# Altium PCB PCB1.PcbDoc (part 3 of 4)
Units mil, origin at the board's own origin, x right, y up, seen from the top; angles counter-clockwise.
Board outline 1130 x 1815 mil, 2 copper layers (Top Layer, Bottom Layer); 375 components, 18 nets, 1650 pads, 0 vias.
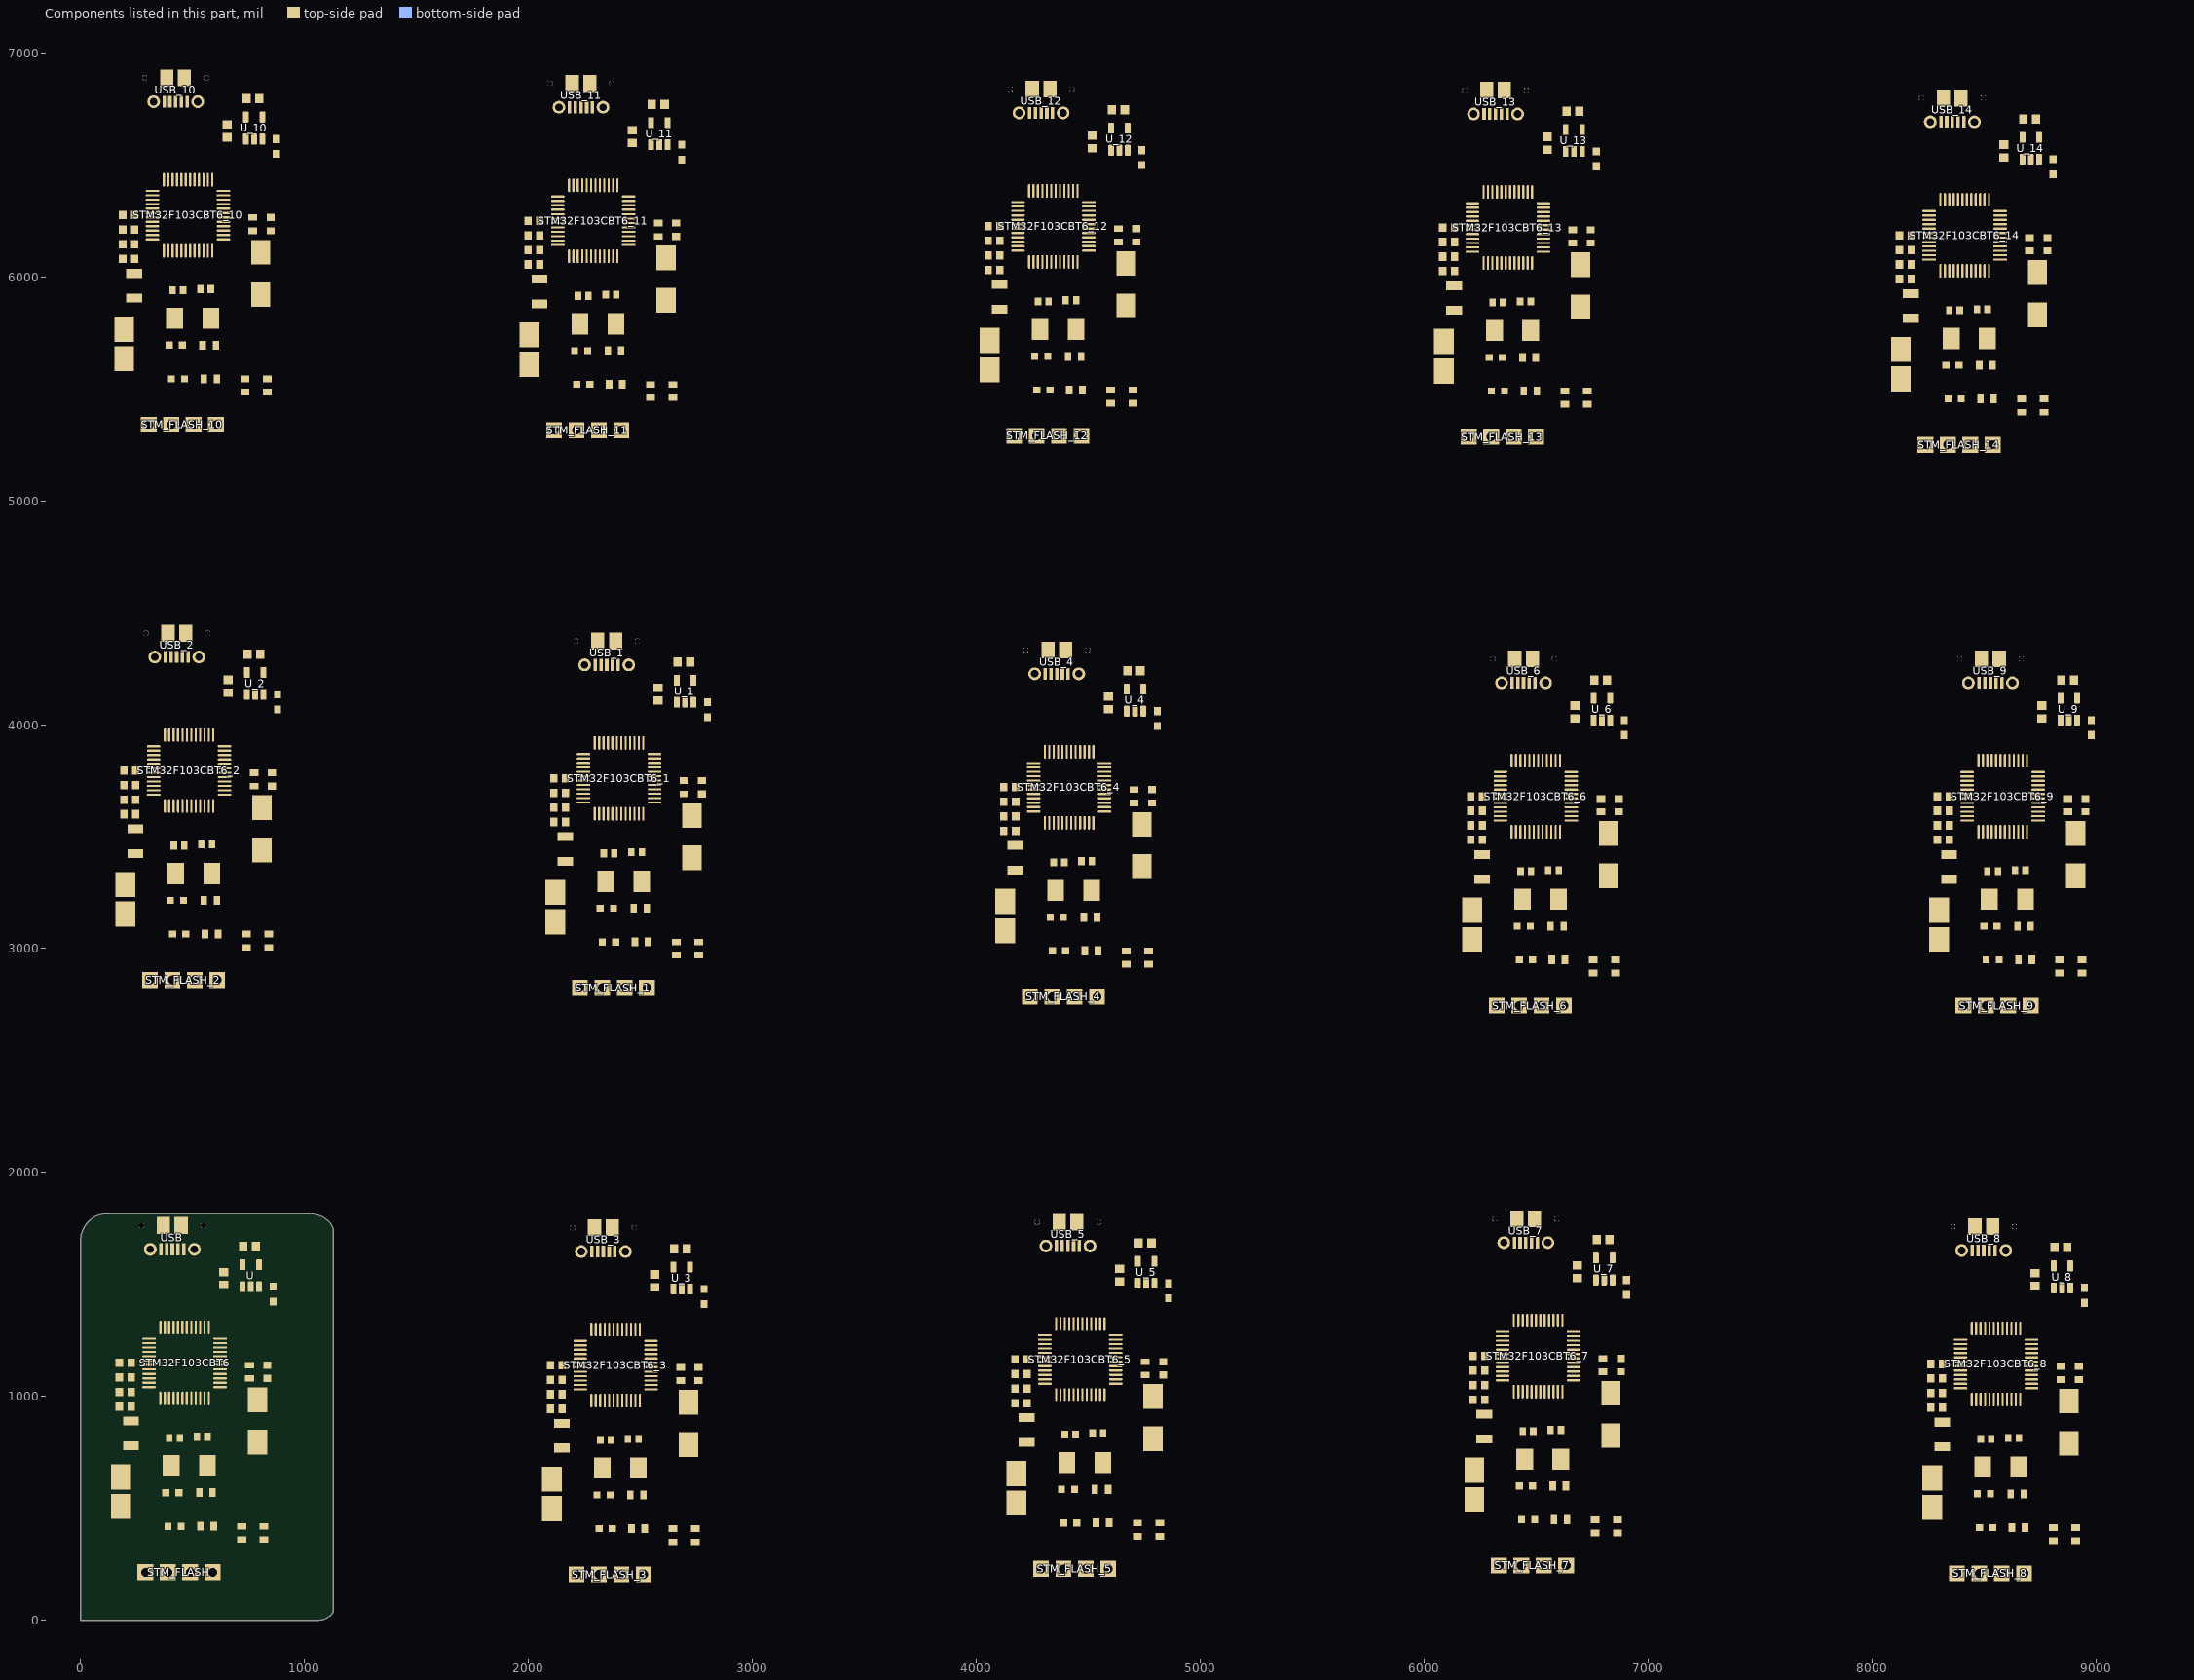
[diagram p3: the components of this part, seen from the top]

## Nets (pads, with @x,y where several pads share a name; then routed paths per layer and width w, separated by ;. In a path a pad name is that pad's centre, name@x,y a point inside that pad or via, vN(x,y) a via of type N, cw(c..) or ccw(c..) an arc to the next point about the centre after c; other vN are vias at no path point) (continued)
copper on no net: | length 303932.1
  Top Layer w5: 241.57,6080 241.57,6145 241.57,6210 241.57,6275 ; 246.57,3600 246.57,3665 246.57,3730 246.57,3795 ; 305,5442.07 307.93,5445 ; 310,2962.07 312.93,2965 ; 405,5340 405,5427.07 407.93,5430 832.07,5430 835,5432.93 835,5485.47 ; 410,2860 410,2947.07 412.93,2950 837.07,2950 840,2952.93 840,3005.47 ; 411.38,5940 420,5931.38 ; 416.38,3460 425,3451.38 ; 476.18,6781.85 476.18,6763.15 481.56,6757.78 ; 481.18,4301.85 481.18,4283.15 486.56,4277.78 ; 548.9,6572.07 551.83,6575 ; 553.9,4092.07 556.83,4095 ; 581.42,5944.17 582.24,5945 ; 586.42,3464.17 587.24,3465 ; 638.8,6696.2 655,6680 671.2,6663.8 ; 643.8,4216.2 660,4200 676.2,4183.8 ; 732.07,5445 735,5447.93 ; 737.07,2965 740,2967.93 ; 737.99,6615 737.99,6626.22 ; 742.99,4135 742.99,4146.22 ; 770,6205.47 777.38,6212.85 ; 775,3725.47 782.38,3732.85 ; 835,5544.53 839.92,5544.53 852.19,5556.79 ; 840,3064.53 844.92,3064.53 857.19,3076.79 ; 967.07,6430 970,6427.07 ; 970,6063.91 970,6063.37 970,6052.5 980,6042.5 980,6035.87 941.64,6035.87 941.64,6010.87 985.08,6010.87 985.08,5985.87 941.64,5985.87 941.64,5960.87 985.08,5960.87 985.08,5935.87 980,5935.87 980,5913.94 980,5910.35 ; 972.07,3950 975,3947.07 ; 975,3583.91 975,3583.37 975,3572.5 985,3562.5 985,3555.87 946.64,3555.87 946.64,3530.87 990.08,3530.87 990.08,3505.87 946.64,3505.87 946.64,3480.87 990.08,3480.87 990.08,3455.87 985,3455.87 985,3433.94 985,3430.35 ; 1027.07,6465 1030,6462.07 ; 1032.07,3985 1035,3982.07 ; 2051.57,6055 2051.57,6120 2051.57,6185 2051.57,6250 ; 2115,5417.07 2117.93,5420 ; 2151.57,945 2151.57,1010 2151.57,1075 2151.57,1140 ; 2166.57,3565 2166.57,3630 2166.57,3695 2166.57,3760 ; 2215,307.07 2217.93,310 ; 2215,5315 2215,5402.07 2217.93,5405 2642.07,5405 2645,5407.93 2645,5460.47 ; 2221.38,5915 2230,5906.38 ; 2230,2927.07 2232.93,2930 ; 2286.18,6756.85 2286.18,6738.15 2291.56,6732.78 ; 2315,205 2315,292.07 2317.93,295 2742.07,295 2745,297.93 2745,350.47 ; 2321.38,805 2330,796.38 ; 2330,2825 2330,2912.07 2332.93,2915 2757.07,2915 2760,2917.93 2760,2970.47 ; 2336.38,3425 2345,3416.38 ; 2358.9,6547.07 2361.83,6550 ; 2386.18,1646.85 2386.18,1628.15 2391.56,1622.78 ; 2391.42,5919.17 2392.24,5920 ; 2401.18,4266.85 2401.18,4248.15 2406.56,4242.78 ; 2448.8,6671.2 2465,6655 2481.2,6638.8 ; 2458.9,1437.07 2461.83,1440 ; 2473.9,4057.07 2476.83,4060 ; 2491.42,809.17 2492.24,810 ; 2506.42,3429.17 2507.24,3430 ; 2542.07,5420 2545,5422.93 ; 2547.99,6590 2547.99,6601.22 ; 2548.8,1561.2 2565,1545 2581.2,1528.8 ; 2563.8,4181.2 2580,4165 2596.2,4148.8 ; 2580,6180.47 2587.38,6187.85 ; 2642.07,310 2645,312.93 ; 2645,5519.53 2649.92,5519.53 2662.19,5531.79 ; 2647.99,1480 2647.99,1491.22 ; 2657.07,2930 2660,2932.93 ; 2662.99,4100 2662.99,4111.22 ; 2680,1070.47 2687.38,1077.85 ; 2695,3690.47 2702.38,3697.85 ; 2745,409.53 2749.92,409.53 2762.19,421.79 ; 2760,3029.53 2764.92,3029.53 2777.19,3041.79 ; 2777.07,6405 2780,6402.07 ; 2780,6038.91 2780,6038.37 2780,6027.5 2790,6017.5 2790,6010.87 2751.64,6010.87 2751.64,5985.87 2795.08,5985.87 2795.08,5960.87 2751.64,5960.87 2751.64,5935.87 2795.08,5935.87 2795.08,5910.87 2790,5910.87 2790,5888.94 2790,5885.35 ; 2837.07,6440 2840,6437.07 ; 2877.07,1295 2880,1292.07 ; 2880,928.91 2880,928.37 2880,917.5 2890,907.5 2890,900.87 2851.64,900.87 2851.64,875.87 2895.08,875.87 2895.08,850.87 2851.64,850.87 2851.64,825.87 2895.08,825.87 2895.08,800.87 2890,800.87 2890,778.94 2890,775.35 ; 2892.07,3915 2895,3912.07 ; 2895,3548.91 2895,3548.37 2895,3537.5 2905,3527.5 2905,3520.87 2866.64,3520.87 2866.64,3495.87 2910.08,3495.87 2910.08,3470.87 2866.64,3470.87 2866.64,3445.87 2910.08,3445.87 2910.08,3420.87 2905,3420.87 2905,3398.94 2905,3395.35 ; 2937.07,1330 2940,1327.07 ; 2952.07,3950 2955,3947.07 ; 4106.57,6030 4106.57,6095 4106.57,6160 4106.57,6225 ; 4170,5392.07 4172.93,5395 ; 4176.57,3525 4176.57,3590 4176.57,3655 4176.57,3720 ; 4226.57,970 4226.57,1035 4226.57,1100 4226.57,1165 ; 4240,2887.07 4242.93,2890 ; 4270,5290 4270,5377.07 4272.93,5380 4697.07,5380 4700,5382.93 4700,5435.47 ; 4276.38,5890 4285,5881.38 ; 4290,332.07 4292.93,335 ; 4340,2785 4340,2872.07 4342.93,2875 4767.07,2875 4770,2877.93 4770,2930.47 ; 4341.18,6731.85 4341.18,6713.15 4346.56,6707.78 ; 4346.38,3385 4355,3376.38 ; 4390,230 4390,317.07 4392.93,320 4817.07,320 4820,322.93 4820,375.47 ; 4396.38,830 4405,821.38 ; 4411.18,4226.85 4411.18,4208.15 4416.56,4202.78 ; 4413.9,6522.07 4416.83,6525 ; 4446.42,5894.17 4447.24,5895 ; 4461.18,1671.85 4461.18,1653.15 4466.56,1647.78 ; 4483.9,4017.07 4486.83,4020 ; 4503.8,6646.2 4520,6630 4536.2,6613.8 ; 4516.42,3389.17 4517.24,3390 ; 4533.9,1462.07 4536.83,1465 ; 4566.42,834.17 4567.24,835 ; 4573.8,4141.2 4590,4125 4606.2,4108.8 ; 4597.07,5395 4600,5397.93 ; 4602.99,6565 4602.99,6576.22 ; 4623.8,1586.2 4640,1570 4656.2,1553.8 ; 4635,6155.47 4642.38,6162.85 ; 4667.07,2890 4670,2892.93 ; 4672.99,4060 4672.99,4071.22 ; 4700,5494.53 4704.92,5494.53 4717.19,5506.79 ; 4705,3650.47 4712.38,3657.85 ; 4717.07,335 4720,337.93 ; 4722.99,1505 4722.99,1516.22 ; 4755,1095.47 4762.38,1102.85 ; 4770,2989.53 4774.92,2989.53 4787.19,3001.79 ; 4820,434.53 4824.92,434.53 4837.19,446.79 ; 4832.07,6380 4835,6377.07 ; 4835,6013.91 4835,6013.37 4835,6002.5 4845,5992.5 4845,5985.87 4806.64,5985.87 4806.64,5960.87 4850.08,5960.87 4850.08,5935.87 4806.64,5935.87 4806.64,5910.87 4850.08,5910.87 4850.08,5885.87 4845,5885.87 4845,5863.94 4845,5860.35 ; 4892.07,6415 4895,6412.07 ; 4902.07,3875 4905,3872.07 ; 4905,3508.91 4905,3508.37 4905,3497.5 4915,3487.5 4915,3480.87 4876.64,3480.87 4876.64,3455.87 4920.08,3455.87 4920.08,3430.87 4876.64,3430.87 4876.64,3405.87 4920.08,3405.87 4920.08,3380.87 4915,3380.87 4915,3358.94 4915,3355.35 ; 4952.07,1320 4955,1317.07 ; 4955,953.91 4955,953.37 4955,942.5 4965,932.5 4965,925.87 4926.64,925.87 4926.64,900.87 4970.08,900.87 4970.08,875.87 4926.64,875.87 4926.64,850.87 4970.08,850.87 4970.08,825.87 4965,825.87 4965,803.94 4965,800.35 ; 4962.07,3910 4965,3907.07 ; 5012.07,1355 5015,1352.07 ; 6136.57,6025 6136.57,6090 6136.57,6155 6136.57,6220 ; 6200,5387.07 6202.93,5390 ; 6261.57,3485 6261.57,3550 6261.57,3615 6261.57,3680 ; 6271.57,985 6271.57,1050 6271.57,1115 6271.57,1180 ; 6300,5285 6300,5372.07 6302.93,5375 6727.07,5375 6730,5377.93 6730,5430.47 ; 6306.38,5885 6315,5876.38 ; 6325,2847.07 6327.93,2850 ; 6335,347.07 6337.93,350 ; 6371.18,6726.85 6371.18,6708.15 6376.56,6702.78 ; 6425,2745 6425,2832.07 6427.93,2835 6852.07,2835 6855,2837.93 6855,2890.47 ; 6431.38,3345 6440,3336.38 ; 6435,245 6435,332.07 6437.93,335 6862.07,335 6865,337.93 6865,390.47 ; 6441.38,845 6450,836.38 ; 6443.9,6517.07 6446.83,6520 ; 6476.42,5889.17 6477.24,5890 ; 6496.18,4186.85 6496.18,4168.15 6501.56,4162.78 ; 6506.18,1686.85 6506.18,1668.15 6511.56,1662.78 ; 6533.8,6641.2 6550,6625 6566.2,6608.8 ; 6568.9,3977.07 6571.83,3980 ; 6578.9,1477.07 6581.83,1480 ; 6601.42,3349.17 6602.24,3350 ; 6611.42,849.17 6612.24,850 ; 6627.07,5390 6630,5392.93 ; 6632.99,6560 6632.99,6571.22 ; 6658.8,4101.2 6675,4085 6691.2,4068.8 ; 6665,6150.47 6672.38,6157.85 ; 6668.8,1601.2 6685,1585 6701.2,1568.8 ; 6730,5489.53 6734.92,5489.53 6747.19,5501.79 ; 6752.07,2850 6755,2852.93 ; 6757.99,4020 6757.99,4031.22 ; 6762.07,350 6765,352.93 ; 6767.99,1520 6767.99,1531.22 ; 6790,3610.47 6797.38,3617.85 ; 6800,1110.47 6807.38,1117.85 ; 6855,2949.53 6859.92,2949.53 6872.19,2961.79 ; 6862.07,6375 6865,6372.07 ; 6865,449.53 6869.92,449.53 6882.19,461.79 ; 6865,6008.91 6865,6008.37 6865,5997.5 6875,5987.5 6875,5980.87 6836.64,5980.87 6836.64,5955.87 6880.08,5955.87 6880.08,5930.87 6836.64,5930.87 6836.64,5905.87 6880.08,5905.87 6880.08,5880.87 6875,5880.87 6875,5858.94 6875,5855.35 ; 6922.07,6410 6925,6407.07 ; 6987.07,3835 6990,3832.07 ; 6990,3468.91 6990,3468.37 6990,3457.5 7000,3447.5 7000,3440.87 6961.64,3440.87 6961.64,3415.87 7005.08,3415.87 7005.08,3390.87 6961.64,3390.87 6961.64,3365.87 7005.08,3365.87 7005.08,3340.87 7000,3340.87 7000,3318.94 7000,3315.35 ; 6997.07,1335 7000,1332.07 ; 7000,968.91 7000,968.37 7000,957.5 7010,947.5 7010,940.87 6971.64,940.87 6971.64,915.87 7015.08,915.87 7015.08,890.87 6971.64,890.87 6971.64,865.87 7015.08,865.87 7015.08,840.87 7010,840.87 7010,818.94 7010,815.35 ; 7047.07,3870 7050,3867.07 ; 7057.07,1370 7060,1367.07 ; 8176.57,5990 8176.57,6055 8176.57,6120 8176.57,6185 ; 8240,5352.07 8242.93,5355 ; 8316.57,950 8316.57,1015 8316.57,1080 8316.57,1145 ; 8340,5250 8340,5337.07 8342.93,5340 8767.07,5340 8770,5342.93 8770,5395.47 ; 8346.38,5850 8355,5841.38 ; 8346.57,3485 8346.57,3550 8346.57,3615 8346.57,3680 ; 8380,312.07 8382.93,315 ; 8410,2847.07 8412.93,2850 ; 8411.18,6691.85 8411.18,6673.15 8416.56,6667.78 ; 8480,210 8480,297.07 8482.93,300 8907.07,300 8910,302.93 8910,355.47 ; 8483.9,6482.07 8486.83,6485 ; 8486.38,810 8495,801.38 ; 8510,2745 8510,2832.07 8512.93,2835 8937.07,2835 8940,2837.93 8940,2890.47 ; 8516.38,3345 8525,3336.38 ; 8516.42,5854.17 8517.24,5855 ; 8551.18,1651.85 8551.18,1633.15 8556.56,1627.78 ; 8573.8,6606.2 8590,6590 8606.2,6573.8 ; 8581.18,4186.85 8581.18,4168.15 8586.56,4162.78 ; 8623.9,1442.07 8626.83,1445 ; 8653.9,3977.07 8656.83,3980 ; 8656.42,814.17 8657.24,815 ; 8667.07,5355 8670,5357.93 ; 8672.99,6525 8672.99,6536.22 ; 8686.42,3349.17 8687.24,3350 ; 8705,6115.47 8712.38,6122.85 ; 8713.8,1566.2 8730,1550 8746.2,1533.8 ; 8743.8,4101.2 8760,4085 8776.2,4068.8 ; 8770,5454.53 8774.92,5454.53 8787.19,5466.79 ; 8807.07,315 8810,317.93 ; 8812.99,1485 8812.99,1496.22 ; 8837.07,2850 8840,2852.93 ; 8842.99,4020 8842.99,4031.22 ; 8845,1075.47 8852.38,1082.85 ; 8875,3610.47 8882.38,3617.85 ; 8902.07,6340 8905,6337.07 ; 8905,5973.91 8905,5973.37 8905,5962.5 8915,5952.5 8915,5945.87 8876.64,5945.87 8876.64,5920.87 8920.08,5920.87 8920.08,5895.87 8876.64,5895.87 8876.64,5870.87 8920.08,5870.87 8920.08,5845.87 8915,5845.87 8915,5823.94 8915,5820.35 ; 8910,414.53 8914.92,414.53 8927.19,426.79 ; 8940,2949.53 8944.92,2949.53 8957.19,2961.79 ; 8962.07,6375 8965,6372.07 ; 9042.07,1300 9045,1297.07 ; 9045,933.91 9045,933.37 9045,922.5 9055,912.5 9055,905.87 9016.64,905.87 9016.64,880.87 9060.08,880.87 9060.08,855.87 9016.64,855.87 9016.64,830.87 9060.08,830.87 9060.08,805.87 9055,805.87 9055,783.94 9055,780.35 ; 9072.07,3835 9075,3832.07 ; 9075,3468.91 9075,3468.37 9075,3457.5 9085,3447.5 9085,3440.87 9046.64,3440.87 9046.64,3415.87 9090.08,3415.87 9090.08,3390.87 9046.64,3390.87 9046.64,3365.87 9090.08,3365.87 9090.08,3340.87 9085,3340.87 9085,3318.94 9085,3315.35 ; 9102.07,1335 9105,1332.07 ; 9132.07,3870 9135,3867.07
  Top Layer w7: 305,5340 305,5442.07 ; 307.93,5445 732.07,5445 ; 310,2860 310,2962.07 ; 312.93,2965 737.07,2965 ; 548.9,6433.46 548.9,6572.07 ; 551.83,6575 553.83,6577 603,6577 735,6445 1000.9,6445 1005,6440.9 1005,5714.53 852.19,5561.71 852.19,5556.79 ; 553.9,3953.46 553.9,4092.07 ; 556.83,4095 558.83,4097 608,4097 740,3965 1005.9,3965 1010,3960.9 1010,3234.53 857.19,3081.71 857.19,3076.79 ; 568.58,6433.46 568.58,6560.65 572.93,6565 590,6565 725,6430 967.07,6430 ; 573.58,3953.46 573.58,4080.65 577.93,4085 595,4085 730,3950 972.07,3950 ; 735,5447.93 735,5485.47 ; 735,5544.53 764.53,5544.53 970,5750 970,5900.35 980,5910.35 ; 740,2967.93 740,3005.47 ; 740,3064.53 769.53,3064.53 975,3270 975,3420.35 985,3430.35 ; 970,6063.91 970,6427.07 ; 975,3583.91 975,3947.07 ; 2115,5315 2115,5417.07 ; 2117.93,5420 2542.07,5420 ; 2215,205 2215,307.07 ; 2217.93,310 2642.07,310 ; 2230,2825 2230,2927.07 ; 2232.93,2930 2657.07,2930 ; 2358.9,6408.46 2358.9,6547.07 ; 2361.83,6550 2363.83,6552 2413,6552 2545,6420 2810.9,6420 2815,6415.9 2815,5689.53 2662.19,5536.71 2662.19,5531.79 ; 2378.58,6408.46 2378.58,6535.65 2382.93,6540 2400,6540 2535,6405 2777.07,6405 ; 2458.9,1298.46 2458.9,1437.07 ; 2461.83,1440 2463.83,1442 2513,1442 2645,1310 2910.9,1310 2915,1305.9 2915,579.53 2762.19,426.71 2762.19,421.79 ; 2473.9,3918.46 2473.9,4057.07 ; 2476.83,4060 2478.83,4062 2528,4062 2660,3930 2925.9,3930 2930,3925.9 2930,3199.53 2777.19,3046.71 2777.19,3041.79 ; 2478.58,1298.46 2478.58,1425.65 2482.93,1430 2500,1430 2635,1295 2877.07,1295 ; 2493.58,3918.46 2493.58,4045.65 2497.93,4050 2515,4050 2650,3915 2892.07,3915 ; 2545,5422.93 2545,5460.47 ; 2545,5519.53 2574.53,5519.53 2780,5725 2780,5875.35 2790,5885.35 ; 2645,312.93 2645,350.47 ; 2645,409.53 2674.53,409.53 2880,615 2880,765.35 2890,775.35 ; 2660,2932.93 2660,2970.47 ; 2660,3029.53 2689.53,3029.53 2895,3235 2895,3385.35 2905,3395.35 ; 2780,6038.91 2780,6402.07 ; 2880,928.91 2880,1292.07 ; 2895,3548.91 2895,3912.07 ; 4170,5290 4170,5392.07 ; 4172.93,5395 4597.07,5395 ; 4240,2785 4240,2887.07 ; 4242.93,2890 4667.07,2890 ; 4290,230 4290,332.07 ; 4292.93,335 4717.07,335 ; 4413.9,6383.46 4413.9,6522.07 ; 4416.83,6525 4418.83,6527 4468,6527 4600,6395 4865.9,6395 4870,6390.9 4870,5664.53 4717.19,5511.71 4717.19,5506.79 ; 4433.58,6383.46 4433.58,6510.65 4437.93,6515 4455,6515 4590,6380 4832.07,6380 ; 4483.9,3878.46 4483.9,4017.07 ; 4486.83,4020 4488.83,4022 4538,4022 4670,3890 4935.9,3890 4940,3885.9 4940,3159.53 4787.19,3006.71 4787.19,3001.79 ; 4503.58,3878.46 4503.58,4005.65 4507.93,4010 4525,4010 4660,3875 4902.07,3875 ; 4533.9,1323.46 4533.9,1462.07 ; 4536.83,1465 4538.83,1467 4588,1467 4720,1335 4985.9,1335 4990,1330.9 4990,604.53 4837.19,451.71 4837.19,446.79 ; 4553.58,1323.46 4553.58,1450.65 4557.93,1455 4575,1455 4710,1320 4952.07,1320 ; 4600,5397.93 4600,5435.47 ; 4600,5494.53 4629.53,5494.53 4835,5700 4835,5850.35 4845,5860.35 ; 4670,2892.93 4670,2930.47 ; 4670,2989.53 4699.53,2989.53 4905,3195 4905,3345.35 4915,3355.35 ; 4720,337.93 4720,375.47 ; 4720,434.53 4749.53,434.53 4955,640 4955,790.35 4965,800.35 ; 4835,6013.91 4835,6377.07 ; 4905,3508.91 4905,3872.07 ; 4955,953.91 4955,1317.07 ; 6200,5285 6200,5387.07 ; 6202.93,5390 6627.07,5390 ; 6325,2745 6325,2847.07 ; 6327.93,2850 6752.07,2850 ; 6335,245 6335,347.07 ; 6337.93,350 6762.07,350 ; 6443.9,6378.46 6443.9,6517.07 ; 6446.83,6520 6448.83,6522 6498,6522 6630,6390 6895.9,6390 6900,6385.9 6900,5659.53 6747.19,5506.71 6747.19,5501.79 ; 6463.58,6378.46 6463.58,6505.65 6467.93,6510 6485,6510 6620,6375 6862.07,6375 ; 6568.9,3838.46 6568.9,3977.07 ; 6571.83,3980 6573.83,3982 6623,3982 6755,3850 7020.9,3850 7025,3845.9 7025,3119.53 6872.19,2966.71 6872.19,2961.79 ; 6578.9,1338.46 6578.9,1477.07 ; 6581.83,1480 6583.83,1482 6633,1482 6765,1350 7030.9,1350 7035,1345.9 7035,619.53 6882.19,466.71 6882.19,461.79 ; 6588.58,3838.46 6588.58,3965.65 6592.93,3970 6610,3970 6745,3835 6987.07,3835 ; 6598.58,1338.46 6598.58,1465.65 6602.93,1470 6620,1470 6755,1335 6997.07,1335 ; 6630,5392.93 6630,5430.47 ; 6630,5489.53 6659.53,5489.53 6865,5695 6865,5845.35 6875,5855.35 ; 6755,2852.93 6755,2890.47 ; 6755,2949.53 6784.53,2949.53 6990,3155 6990,3305.35 7000,3315.35 ; 6765,352.93 6765,390.47 ; 6765,449.53 6794.53,449.53 7000,655 7000,805.35 7010,815.35 ; 6865,6008.91 6865,6372.07 ; 6990,3468.91 6990,3832.07 ; 7000,968.91 7000,1332.07 ; 8240,5250 8240,5352.07 ; 8242.93,5355 8667.07,5355 ; 8380,210 8380,312.07 ; 8382.93,315 8807.07,315 ; 8410,2745 8410,2847.07 ; 8412.93,2850 8837.07,2850 ; 8483.9,6343.46 8483.9,6482.07 ; 8486.83,6485 8488.83,6487 8538,6487 8670,6355 8935.9,6355 8940,6350.9 8940,5624.53 8787.19,5471.71 8787.19,5466.79 ; 8503.58,6343.46 8503.58,6470.65 8507.93,6475 8525,6475 8660,6340 8902.07,6340 ; 8623.9,1303.46 8623.9,1442.07 ; 8626.83,1445 8628.83,1447 8678,1447 8810,1315 9075.9,1315 9080,1310.9 9080,584.53 8927.19,431.71 8927.19,426.79 ; 8643.58,1303.46 8643.58,1430.65 8647.93,1435 8665,1435 8800,1300 9042.07,1300 ; 8653.9,3838.46 8653.9,3977.07 ; 8656.83,3980 8658.83,3982 8708,3982 8840,3850 9105.9,3850 9110,3845.9 9110,3119.53 8957.19,2966.71 8957.19,2961.79 ; 8670,5357.93 8670,5395.47 ; 8670,5454.53 8699.53,5454.53 8905,5660 8905,5810.35 8915,5820.35 ; 8673.58,3838.46 8673.58,3965.65 8677.93,3970 8695,3970 8830,3835 9072.07,3835 ; 8810,317.93 8810,355.47 ; 8810,414.53 8839.53,414.53 9045,620 9045,770.35 9055,780.35 ; 8840,2852.93 8840,2890.47 ; 8840,2949.53 8869.53,2949.53 9075,3155 9075,3305.35 9085,3315.35 ; 8905,5973.91 8905,6337.07 ; 9045,933.91 9045,1297.07 ; 9075,3468.91 9075,3832.07